# Altium PCB mchf_pro_ui.PcbDoc (part 5 of 5)
Units mil, origin at the board's own origin, x right, y up, seen from the top; angles counter-clockwise.
Board outline 7877.73 x 5661.04 mil, 2 copper layers (Top Layer, Bottom Layer); 336 components, 338 nets, 1291 pads, 827 vias.
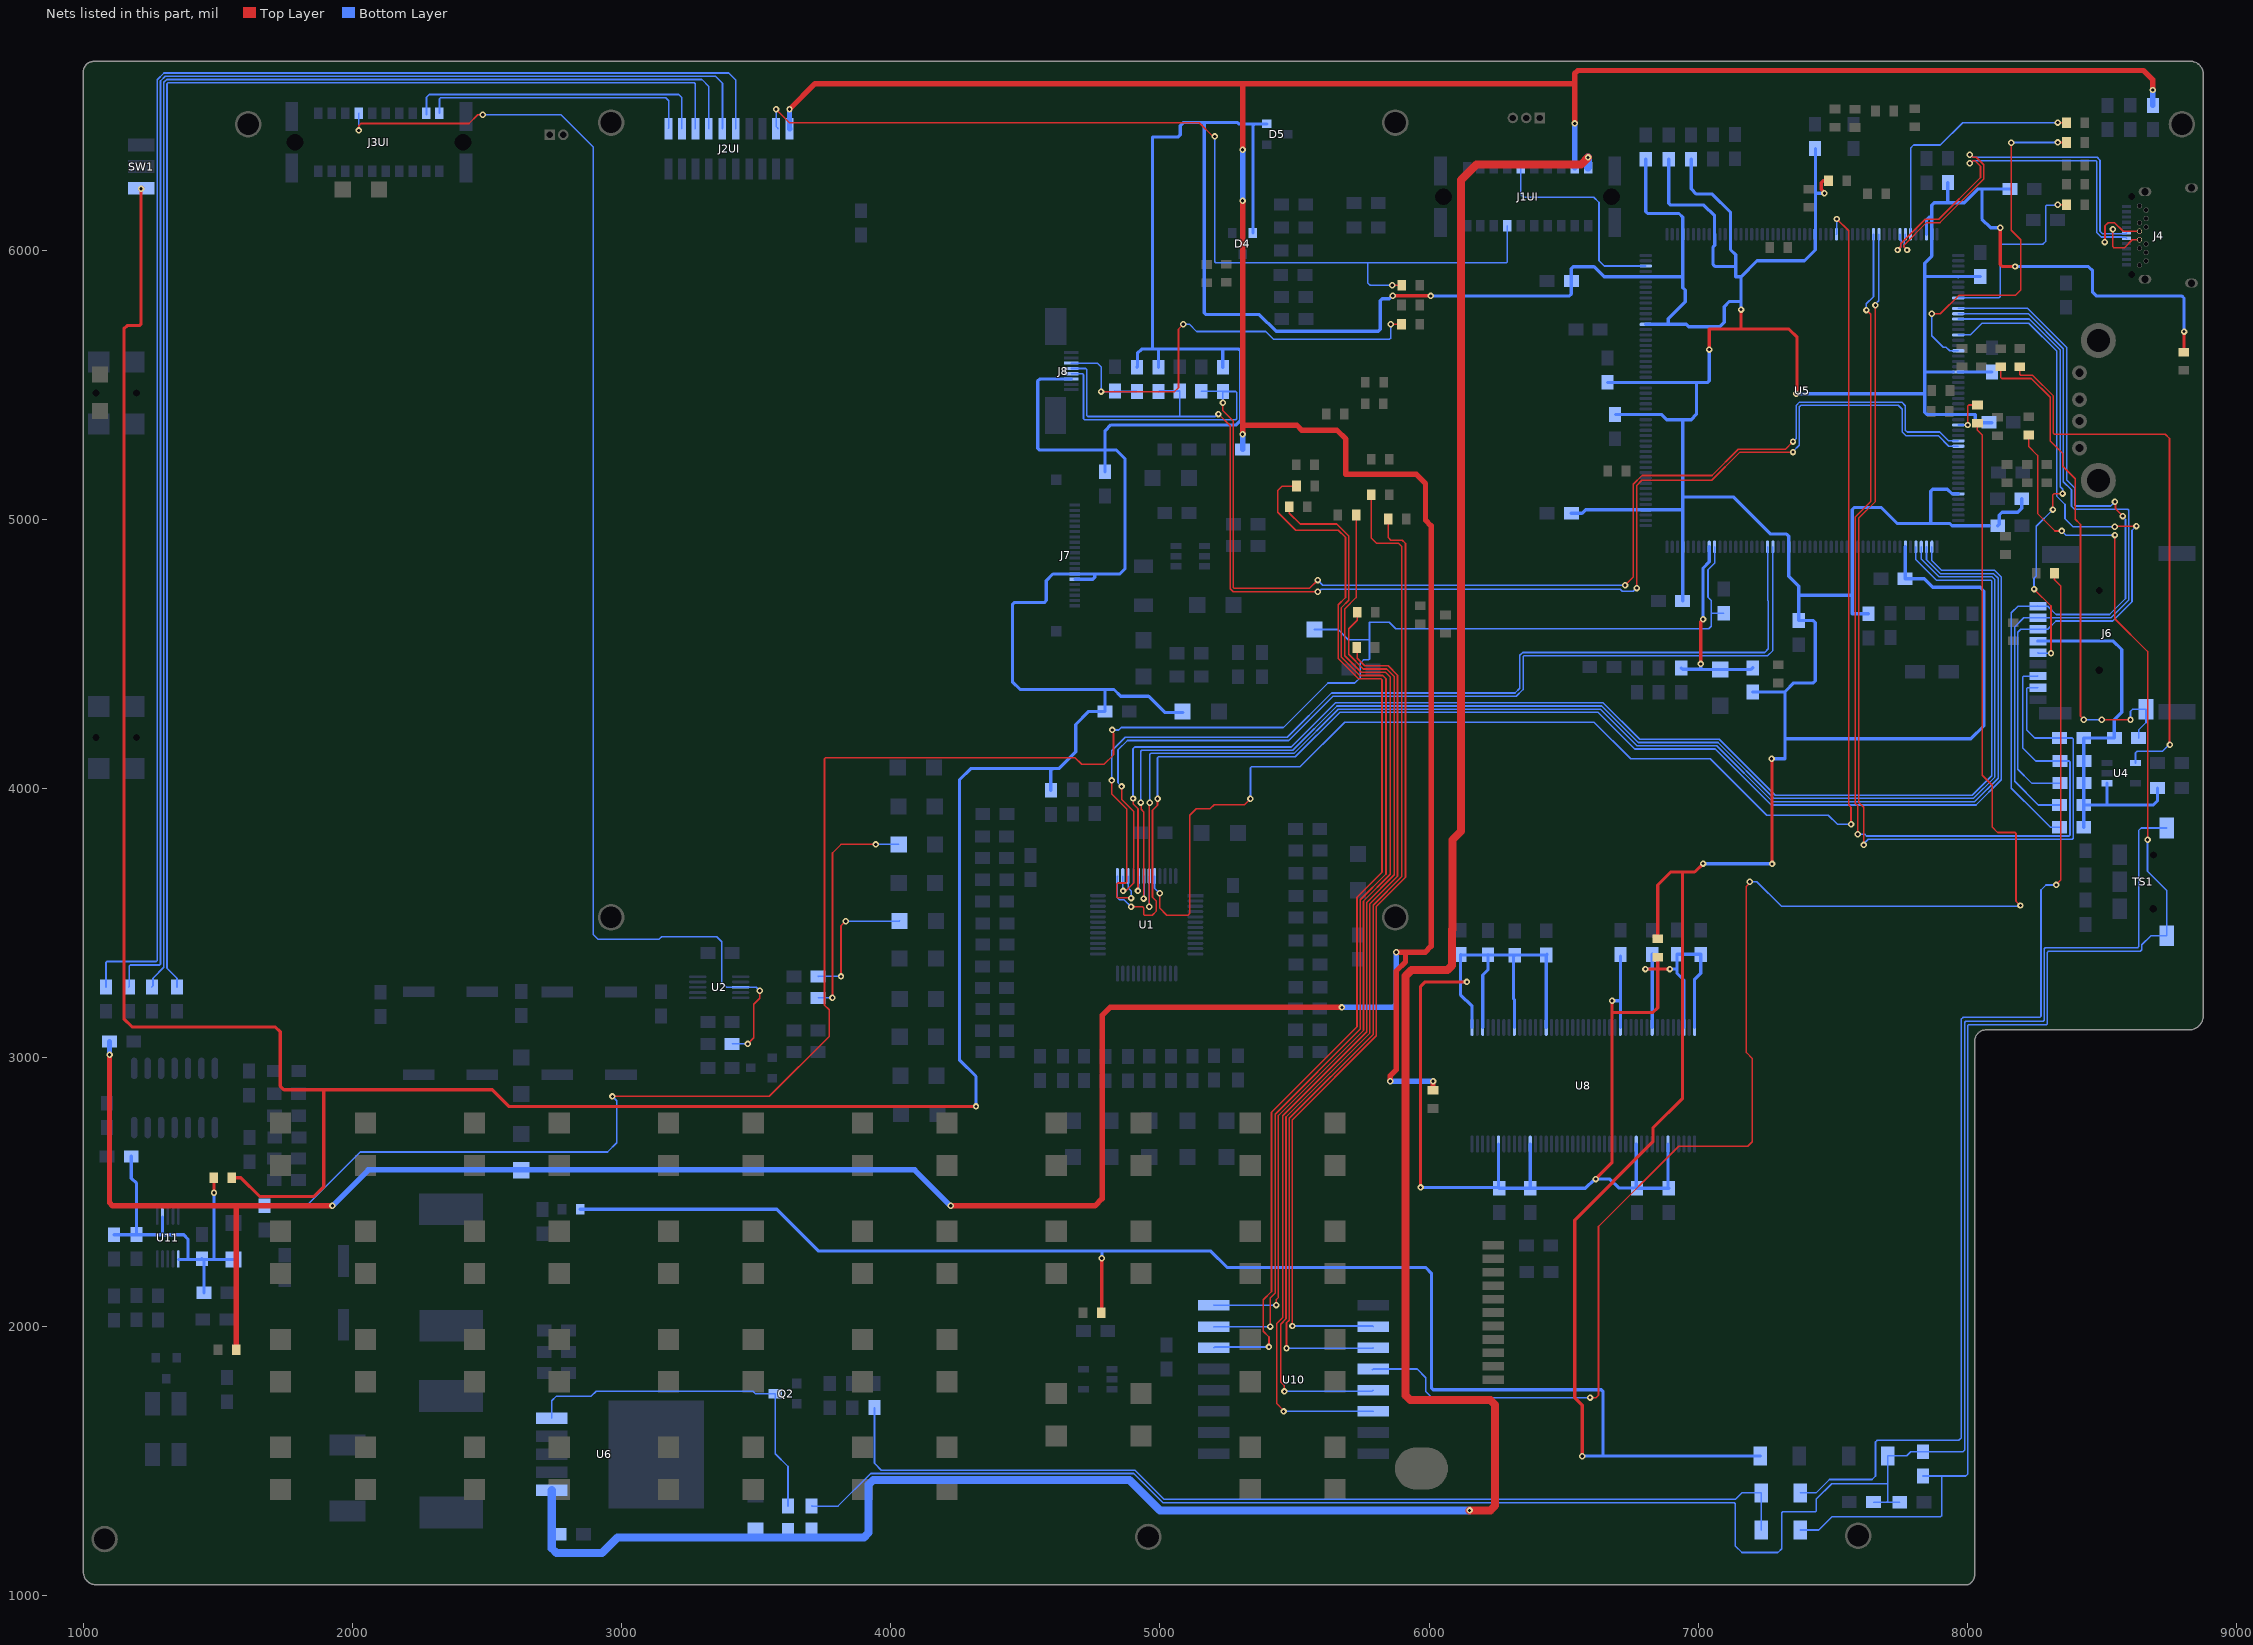
[diagram p5: the nets of this part, all layers, seen from the top]

## Via types
v1: diameter 24, hole 12, Top Layer to Bottom Layer, 621 vias
v2: diameter 30, hole 15, Top Layer to Bottom Layer, 206 vias

## Nets (pads, with @x,y where several pads share a name; then routed paths per layer and width w, separated by ;. In a path a pad name is that pad's centre, name@x,y a point inside that pad or via, vN(x,y) a via of type N, cw(c..) or ccw(c..) an arc to the next point about the centre after c; other vN are vias at no path point) (continued)
POWER_BUTTON: C29.2 D9.1 M15.1 TS1.a | length 5770.2
  Top Layer w6: M15.1@8227.84,5313.6 8227.84,5271.01 8261.07,5237.79 8261.07,5021.89 8325.7,4957.26 v1(8350.71,4957.26) ; v1(8548.22,4941.79) 8548.22,4630.91 8669.81,4509.33 v1(8669.81,3809.79)
  Bottom Layer w6: D9.1@7378.94,1245.08 7447.83,1245.08 7497.75,1294.99 7901.01,1294.99 7904.53,1298.51 7904.53,1444.88 7903.54,1445.87 ; C29.2@7834.65,1445.87 7903.54,1445.87 ; v1(8350.71,4957.26) 8350.77,4957.26 8366.25,4941.79 v1(8548.22,4941.79) ; v1(8669.81,3809.79) 8669.35,3809.33 8669.35,3692.86 8741.14,3621.06 TS1.a@8741.14,3453.54 8682.15,3453.54 8648.26,3419.65 8648.26,3401.38 8642.35,3395.47 8301.02,3395.47 8297.5,3391.96 8297.5,3126.46 8293.99,3122.95 8005.56,3122.95 8002.05,3119.43 8002.05,1453.17 7994.75,1445.87 7903.54,1445.87
POWER_HOLD: D10.1 M6.1 | length 4322.3
  Top Layer w6: M6.1@8324.05,4800.2 8324.05,4775.77 8346.91,4752.91 8346.91,3660.59 8330.7,3644.39 v1(8330.7,3641.88)
  Bottom Layer w6: D10.1@7378.94,1382.87 7437.99,1382.87 7487.79,1432.68 7645.92,1432.68 7658.97,1445.73 7658.97,1572.08 7665.15,1578.25 7967.94,1578.25 7978.05,1588.36 7978.05,3144.05 7984.3,3150.3 8269.99,3150.3 8273.5,3153.82 8273.5,3623.28 8292.11,3641.88 v1(8330.7,3641.88)
PTT: J1UI.A17 J2UI.A2 M25.1 | length 3641.8
  Top Layer w6: v1(3573.78,6524.07) 3623.45,6474.41 5145.67,6474.41 5196.85,6423.23 v1(5203.74,6423.23) ; v1(5862.85,5869.78) M25.1@5898.56,5869.78
  Bottom Layer w6: v1(3573.78,6524.07) 3573.78,6460.08 3580.71,6453.15 J2UI.A2@3579.53,6451.97 ; v1(5203.74,6423.23) 5203.74,5957.03 5207.26,5953.51 5772.52,5953.51 ; v1(5862.85,5869.78) 5781.64,5869.78 5772.52,5878.9 5772.52,5953.51 ; J1UI.A17@6291.04,6090.79 6291.04,5957.03 6287.52,5953.51 5772.52,5953.51
RFM_DIO0: M23.1 U10.14 | length 3980.9
  Top Layer w6: v1(5405.05,1925.23) 5405.05,1962.39 5383.61,1983.83 5383.61,1996.64 5383.39,1996.86 5383.39,2100.21 5414.56,2131.38 5414.56,2797.59 5732.2,3115.23 5732.2,3596.53 5825.1,3689.43 5825.1,4404.82 5821.58,4408.34 5737.4,4408.34 5662.37,4483.37 5662.37,4682.79 5689.37,4709.79 5689.37,4933.62 5662.6,4960.38 5504.74,4960.38 5437.99,5027.13 5437.99,5107.66 5454.34,5124.02 M23.1@5507.26,5124.02
  Bottom Layer w6: U10.14@5200.32,1922.24 5203.31,1925.23 v1(5405.05,1925.23)
RFM_DIO1: M22.1 U10.15 | length 3735.5
  Top Layer w6: v1(5409.86,2000.88) 5409.86,2107.39 5428.15,2125.68 5428.15,2790.35 5744.2,3106.4 5744.2,3586.89 5840.1,3682.79 5840.1,4408.34 5828.1,4420.34 5742.37,4420.34 5674.37,4488.34 5674.37,4672.55 5701.37,4699.55 5701.37,4938.59 5657.04,4982.92 5521.36,4982.92 5480.76,5023.52 5480.76,5046.24 M22.1@5479.76,5047.24
  Bottom Layer w6: U10.15@5200.32,2000.98 5200.43,2000.88 v1(5409.86,2000.88)
RFM_DIO2: M18.1 U10.16 | length 3484.3
  Top Layer w6: v1(5432.23,2080.76) 5432.65,2081.18 5432.65,2101.76 5440.15,2109.25 5440.15,2785.38 5756.2,3101.43 5756.2,3581.92 5855.88,3681.6 5855.88,4414.37 5837.91,4432.34 5747.98,4432.34 5686.37,4493.95 5686.37,4667.58 5728.87,4710.08 M18.1@5728.87,5016.73
  Bottom Layer w6: U10.16@5200.32,2079.72 5201.35,2080.76 v1(5432.23,2080.76)
RFM_MISO: M19.1 U10.2 | length 3525.8
  Top Layer w6: v1(5492.13,2003.15) 5492.28,2003.3 5492.28,2769.63 5804.2,3081.55 5804.2,3562.04 5912.53,3670.38 5912.53,4910.92 5900.53,4922.92 5857.85,4922.92 5847.85,4932.92 M19.1@5847.85,5001.97
  Bottom Layer w6: v1(5492.13,2003.15) 5790.16,2003.15 U10.2@5792.32,2000.98
RFM_MOSI: M20.1 U10.3 | length 3766.5
  Top Layer w6: v1(5470.19,1920.53) 5470.19,2014.72 5480.28,2024.8 5480.28,2774.6 5792.2,3086.52 5792.2,3567.01 5897.85,3672.67 5897.85,4900.92 5887.85,4910.92 5805.1,4910.92 5785.1,4930.92 M20.1@5785.1,5091.87
  Bottom Layer w6: v1(5470.19,1920.53) 5790.61,1920.53 U10.3@5792.32,1922.24
RFM_NSS: M21.1 U10.5 | length 3394.7
  Top Layer w6: v1(5462.49,1760.19) 5462.49,1780.78 5448.54,1794.72 5448.54,2010.04 5468.28,2029.78 5468.28,2779.57 5780.2,3091.49 5780.2,3571.98 5882.87,3674.66 5882.87,4421.32 5847.85,4456.34 5760.65,4456.34 5732.68,4484.31 5732.68,4522.78 M21.1@5731.68,4523.78
  Bottom Layer w6: v1(5462.49,1760.19) 5787.75,1760.19 U10.5@5792.32,1764.76
RFM_RST: M16.1 U10.6 | length 3627.8
  Top Layer w6: v1(5459.49,1685.96) 5459.49,1689.3 5434.62,1714.17 5434.62,2013.09 5456.28,2034.75 5456.28,2784.54 5768.2,3096.46 5768.2,3576.95 5870.87,3679.63 5870.87,4416.35 5842.88,4444.34 5755.68,4444.34 5701.37,4498.65 5701.37,4593.43 5732.98,4625.04 M16.1@5732.98,4655.51
  Bottom Layer w6: v1(5459.49,1685.96) U10.6@5792.32,1686.02 U10.6@5792.32,1686.02
RFM_SCK: M24.1 U10.4 | length 6168.6
  Top Layer w6: v1(6598.43,1737.2) 6621.28,1737.2 6629.72,1745.64 6629.72,2373.11 6927.55,2670.94 7184.58,2670.94 7200.89,2687.26 7200.89,2997.26 7179.1,3019.05 7179.1,3636.61 7191.84,3649.36 v1(7191.84,3653.57) ; M24.1@8037.52,5357.82 8037.52,5331.61 8055.1,5314.03 8055.1,4049.85 8092.17,4012.79 8092.17,3857.26 8112.42,3837.01 8177.44,3837.01 8180.96,3833.49 8180.96,3581.6 v1(8197.05,3565.51)
  Bottom Layer w6: U10.4@5789.37,1840.55 U10.4@5792.32,1843.5 5955.71,1843.5 5988.19,1811.02 5988.19,1759.47 6010.46,1737.2 v1(6598.43,1737.2) ; v1(7191.84,3653.57) 7218.06,3653.57 7308.28,3563.34 8194.89,3563.34 v1(8197.05,3565.51)
RX_CLK_N: J2UI.A5 M55.1 | length 5908.8
  Bottom Layer w6: M55.1@1083.77,3262.67 1083.77,3353.92 1087.29,3357.43 1271.01,3357.43 1274.53,3360.95 1274.53,6633.98 1299.22,6658.68 3397.58,6658.68 3423.51,6632.76 3423.51,6452.28 J2UI.A5@3423.82,6451.97
RX_CLK_P: J2UI.A6 M56.1 | length 5754.2
  Bottom Layer w6: M56.1@1169.12,3262.67 1170.82,3264.37 1170.82,3340.95 1174.33,3344.47 1283.01,3344.47 1286.53,3347.98 1286.53,6629.01 1304.19,6646.68 3348.87,6646.68 3374.8,6620.76 3374.8,6452.95 J2UI.A6@3373.82,6451.97
RX_QSD_IN: J2UI.A10 J3UI.A20 | length 1015
  Bottom Layer w6: J3UI.A20@2323.03,6509.84 2323.03,6563.24 2326.55,6566.75 3163.93,6566.75 3174.78,6555.91 3174.78,6452.93 J2UI.A10@3173.82,6452.93
SAI1_FS_A: U1.43 U5.3 | length 5166
  Top Layer w6: v1(4960.31,3561.18) 4960.31,3945.64 v1(4962.07,3947.4)
  Bottom Layer w6: v1(4960.31,3561.18) U1.43@4960.31,3674.92 ; v1(4962.07,3947.4) 4962.07,4127.07 4965.59,4130.58 5498.24,4130.58 5662.64,4294.98 6636.61,4294.98 6772.48,4159.12 7068.52,4159.12 7275.95,3951.69 8028.02,3951.69 8114.53,4038.2 8114.53,4700.67 8114.53,4781.07 8096.95,4798.64 7900.05,4798.64 7848.39,4850.3 U5.3@7848.39,4898.21
SAI1_FS_B: U1.39 U5.33 | length 3786.6
  Top Layer w6: v1(4820.87,4030.51) 4820.87,3979.9 4876.01,3924.76 4876.01,3652.62 4872.49,3649.11 4843.52,3649.11 4840.01,3645.59 4840.01,3598.41 4843.52,3594.89 4891.16,3594.89 v1(4892.96,3593.09)
  Bottom Layer w6: v1(4820.87,4030.51) 4820.87,4140.16 4871.29,4190.58 5473.38,4190.58 5637.78,4354.98 6319.4,4354.98 6337.24,4372.82 6337.24,4495.17 6347.79,4505.72 7247.09,4505.72 7260.47,4519.09 7260.47,4697.13 7257.84,4699.76 U5.33@7257.84,4898.21 ; U1.39@4881.57,3674.92 4882.97,3673.53 4882.97,3629.56 4892.96,3619.56 v1(4892.96,3593.09)
SAI1_MCLK_A: U1.44 U5.137 | length 5770.1
  Top Layer w6: v1(4998.97,3610.89) 4998.97,3556.07 5025.54,3529.49 5104.29,3529.49 5111.21,3536.41 5111.21,3900.51 5135.24,3924.53 5185.69,3924.53 5201.38,3940.22 5314.07,3940.22 v1(5336.32,3962.47) ; v1(7515.06,6116.35) 7559.06,6072.36 7559.06,3939.62 7567.91,3930.76 v1(7567.91,3867.13)
  Bottom Layer w6: U1.44@4980,3674.92 4980,3629.86 v1(4998.97,3610.89) ; v1(5336.32,3962.47) 5336.32,4077.29 5339.83,4080.81 5520.63,4080.81 5686.81,4246.98 6613.14,4246.98 6749,4111.12 7044.6,4111.12 7254.78,3900.94 7483.54,3900.94 7517.35,3867.13 v1(7567.91,3867.13) ; U5.137@7513.75,6059.62 7514.4,6060.28 7514.4,6115.69 v1(7515.06,6116.35)
SAI1_SCK_A: U1.42 U5.4 | length 5139.1
  Top Layer w6: v1(4928.51,3947.89) 4930.31,3946.08 4930.31,3922.73 4939.31,3913.73 v1(4939.31,3591.18)
  Bottom Layer w6: v1(4928.51,3947.89) 4928.51,4139.07 4932.03,4142.58 5493.26,4142.58 5657.67,4306.98 6641.58,4306.98 6777.45,4171.12 7073.5,4171.12 7280.92,3963.69 8023.05,3963.69 8102.53,4043.17 8102.53,4705.64 8102.53,4776.09 8091.98,4786.64 7895.08,4786.64 7828.71,4853.02 U5.4@7828.71,4898.21 ; v1(4939.31,3591.18) 4940.63,3592.49 U1.42@4940.63,3674.92
SAI1_SCK_B: U1.38 U5.32 | length 3669
  Top Layer w6: v1(4857.53,4007.87) 4857.53,3960.2 4902.59,3915.14 4902.59,3649.11 4876.56,3623.07 4866.65,3623.07 v1(4863.2,3619.63)
  Bottom Layer w6: v1(4857.53,4007.87) 4844.38,4021.03 4844.38,4143.83 4879.13,4178.58 5478.35,4178.58 5642.76,4342.98 6324.38,4342.98 6349.24,4367.85 6349.24,4490.2 6352.76,4493.72 7257.84,4493.72 7277.53,4513.4 U5.32@7277.53,4898.21 ; U1.38@4861.89,3674.92 4861.89,3620.94 v1(4863.2,3619.63)
SAI1_SD_A: U1.41 U5.5 | length 5111.3
  Top Layer w6: v1(4900.06,3963.15) 4901.42,3961.79 4901.42,3942.15 4918.31,3925.26 v1(4918.31,3619.63)
  Bottom Layer w6: v1(4900.06,3963.15) 4900.06,4148.33 4906.31,4154.58 5488.29,4154.58 5652.7,4318.98 6646.55,4318.98 6782.42,4183.12 7078.47,4183.12 7285.89,3975.69 8018.08,3975.69 8090.53,4048.14 8090.53,4710.61 8090.53,4771.12 8087.01,4774.64 7884.47,4774.64 7809.02,4850.09 U5.5@7809.02,4898.21 ; v1(4918.31,3619.63) 4920.94,3622.26 U1.41@4920.94,3674.92
SAI1_SD_B: U1.37 U5.2 | length 5332.4
  Top Layer w6: v1(4892.96,3560.89) 4935.8,3560.89 4939.31,3557.38 4939.31,3532.6 4942.83,3529.08 4971.16,3529.08 4986.97,3544.89 4986.97,3581.89 4972.31,3596.54 4972.31,3919.16 4991.09,3937.94 v1(4991.09,3962.64)
  Bottom Layer w6: U1.37@4842.2,3674.92 4840.97,3673.69 4840.97,3595.63 4849.55,3587.05 4866.8,3587.05 v1(4892.96,3560.89) ; v1(4991.09,3962.64) 4991.09,4115.07 4994.61,4118.58 5503.21,4118.58 5667.61,4282.98 6628.67,4282.98 6764.54,4147.12 7063.07,4147.12 7271.22,3938.98 8032.27,3938.98 8126.53,4033.23 8126.53,4695.7 8126.53,4786.04 8101.92,4810.64 7905.02,4810.64 7868.08,4847.59 U5.2@7868.08,4898.21
SD_DET: J6.10 M40.1 R27.2 | length 1883.9
  Top Layer w6: M40.1@8123.86,5564.99 8123.86,5527.22 8127.38,5523.71 8237.53,5523.71 8307.57,5453.67 8307.57,5291.73 8354.03,5245.26 8354.03,5197.81 8400.49,5151.35 8400.49,5001.03 8420.3,4981.23 8420.3,4268.31 v1(8432.7,4255.91) ; v1(8499.02,4255.91) v1(8606.3,4255.91)
  Bottom Layer w6: v1(8432.7,4255.91) v1(8499.02,4255.91) ; v1(8606.3,4255.91) 8606.3,4286.97 8613.51,4294.18 8663.27,4294.18 J6.10@8663.39,4294.29 ; R27.2@8636.26,4187.99 8636.26,4217.78 8663.82,4245.34 J6.10@8663.82,4294.18
SD_POWER: C28.1 J6.4 R24.1 R25.1 R26.1 R27.1 R28.1 R29.1 U4.1 | length 1519.4
  Bottom Layer w12: J6.4@8261.81,4548.23 8262.1,4547.94 8542.61,4547.94 8573.82,4516.73 8573.82,4463.38 8573.82,4283.46 8546.26,4255.91 R27.1@8546.26,4187.99 R25.1@8432.7,4187.99 R29.1@8432.7,3938.9 ; R24.1@8432.7,3856.3 R29.1@8432.7,3938.9 ; U4.1@8518.73,4020.16 8518.73,3938.9 ; C28.1@8706.5,4001.75 8706.5,3954.26 8691.14,3938.9 8518.73,3938.9 ; R29.1@8432.7,3938.9 8518.73,3938.9
SD_PWR_CNTR: M9.1 U4.4 | length 2079.1
  Top Layer w6: M9.1@8195.06,5565.6 8195.06,5539.77 8198.68,5536.14 8242.07,5536.14 8319.88,5458.33 8319.88,5320.16 8323.4,5316.64 8735.11,5316.64 8750.98,5300.77 v1@8750.98,4161.42
  Bottom Layer w6: U4.4@8625.03,4094.97 8625.03,4132.9 8630.91,4138.78 8725.39,4138.78 8749.67,4163.06 v1(8752.62,4163.06)
SDMMC1_CK: J6.5 U5.169 | length 1695.2
  Top Layer w6: v1(8247.84,4741.14) 8310.78,4678.2 v1(8310.78,4502.42) ; v1(8318.03,5036.71) 8318.03,5090.84 8323.24,5096.05 v1(8353.92,5096.05)
  Bottom Layer w6: U5.169@7966.5,5744.66 8229.94,5744.66 8344.81,5629.79 8344.81,5121.75 8354.14,5112.43 8354.14,5096.27 v1(8353.92,5096.05) ; v1(8247.84,4741.14) 8247.84,4781.45 8256.02,4789.63 8256.02,4974.7 v1(8318.03,5036.71) ; J6.5@8261.81,4504.92 8264.31,4502.42 v1(8310.78,4502.42)
SDMMC1_CMD: J6.3 R28.2 U5.172 | length 2787.4
  Top Layer w6: v1(8547.66,4972.68) 8550.34,4975.36 v1(8628.38,4975.36)
  Bottom Layer w6: U5.172@7966.5,5685.61 8010.62,5685.61 8054.23,5729.21 8228.42,5729.21 8332.81,5624.82 8332.81,5085.62 8362.9,5055.54 8362.9,5002.51 8389.81,4975.6 8392.73,4972.68 v1(8547.66,4972.68) ; R28.2@8344.03,4020.44 8238.73,4020.44 8187.69,4071.48 8187.69,4580.74 8198.64,4591.69 8261.65,4591.69 J6.3@8261.81,4591.54 8262.27,4592 8298.85,4592 8329.55,4622.7 8540.34,4622.7 8611.95,4694.31 8611.95,4958.93 v1(8628.38,4975.36)
SDMMC1_D0: J6.7 R26.2 U5.144 | length 3858.8
  Top Layer w6: v1(7592.45,3829.93) 7592.45,3936.13 7583.89,3944.69 7583.89,5009.47 7640.96,5066.53 7640.96,5762 v1(7624.86,5778.1)
  Bottom Layer w6: v1(7592.45,3829.93) 7592.91,3830.38 7618.37,3830.38 7625.1,3823.66 8377.9,3823.66 8381.42,3827.18 8381.42,4098.85 8377.9,4102.36 R26.2@8344,4102.36 8253.94,4102.36 8205.38,4150.92 8205.38,4414.41 8208.89,4417.92 8261.43,4417.92 J6.7@8261.81,4418.31 ; v1(7624.86,5778.1) 7624.86,5801.12 7651.54,5827.79 U5.144@7651.54,6059.62
SDMMC1_D1: J6.8 R25.2 U5.145 | length 3851.9
  Top Layer w6: v1(7614.88,3790.66) 7614.88,3930.67 7595.89,3949.66 7595.89,5004.49 7658.38,5066.98 v1(7658.38,5796.13)
  Bottom Layer w6: v1(7614.88,3790.66) 7614.88,3794.71 7631.83,3811.66 8389.9,3811.66 8393.42,3815.18 8393.42,4184.37 8389.79,4187.99 R25.2@8342.7,4187.99 8250,4187.99 8220.47,4217.52 8220.47,4371.64 8223.99,4375.16 8261.65,4375.16 J6.8@8261.81,4375 ; v1(7658.38,5796.13) 7658.38,5800.13 7671.23,5812.98 U5.145@7671.23,6059.62
SDMMC1_D2: J6.1 R24.2 U5.167 | length 2956.3
  Top Layer w6: v1(8548.22,5065.66) 8550.54,5063.34 8550.54,5039.79 v1(8577.65,5012.68)
  Bottom Layer w6: U5.167@7966.5,5784.03 8224.51,5784.03 8368.81,5639.73 8368.81,5146.97 8399.29,5116.5 8399.29,5053.5 8402.8,5049.99 8532.55,5049.99 v1(8548.22,5065.66) ; J6.1@8261.81,4678.15 8262.66,4677.3 8299.17,4677.3 8329.66,4646.81 8528.11,4646.81 8587.61,4706.31 8587.61,5000.17 8577.65,5010.14 v1(8577.65,5012.68) ; J6.1@8262.11,4678.45 8260.96,4677.3 8188.12,4677.3 8163.69,4652.86 8163.69,4001.75 8263.86,3901.58 ; 8263.86,3901.57 8309.13,3856.3 R24.2@8342.7,3856.3
SDMMC1_D3: J6.2 R29.2 U5.168 | length 2837.3
  Bottom Layer w6: U5.168@7966.5,5764.35 8227.23,5764.35 8356.81,5634.76 8356.81,5140.32 8386.96,5110.18 8386.96,5048.86 8398.45,5037.37 8596.43,5037.37 8599.95,5033.86 8599.95,4700.63 8534.13,4634.81 J6.2@8261.81,4634.84 ; J6.2@8261.81,4634.84 8261.5,4634.53 8210.1,4634.53 8175.69,4600.12 8175.69,4027.07 8263.86,3938.9 R29.2@8342.7,3938.9
SPA_L: C2.2 R11.2 | length 498.3
  Top Layer w6: v1(3814.96,3302.17) 3814.96,3489.84 v1(3832.3,3507.18)
  Bottom Layer w6: R11.2@3729.76,3301.18 3730.75,3302.17 v1(3814.96,3302.17) ; v1(3832.3,3507.18) 4030.94,3507.18 C2.2@4032.29,3508.53
SPA_R: C3.2 R12.2 | length 851.1
  Top Layer w6: v1(3783.26,3222.44) 3783.26,3760.83 3814.96,3792.53 v1(3944.19,3792.53)
  Bottom Layer w6: R12.2@3729.76,3222.44 v1(3783.26,3222.44) ; v1(3944.19,3792.53) C3.2@4029.34,3792.53
SPK_RET: J3UI.A14 R10.2 U2.3 | length 5020.8
  Top Layer w6: v1(2023.3,6445.41) 2023.35,6445.46 2023.35,6462.89 2031.49,6471.03 2432.65,6471.03 2465.55,6503.94 v1(2484.25,6503.94) ; v1(3468.5,3051.18) 3491.06,3073.74 3491.06,3198.94 3512.8,3220.67 v1(3512.8,3249.02)
  Bottom Layer w6: J3UI.A14@2023.03,6509.84 2023.3,6509.57 v1(2023.3,6445.41) ; v1(2484.25,6503.94) 2774.95,6503.94 2894.72,6384.17 2894.72,5888.78 2894.72,3457.69 2911.6,3440.8 3140.13,3440.8 3148.61,3449.28 3353.35,3449.28 3372.24,3430.38 3372.24,3279.33 3389.76,3261.81 U2.3@3441.93,3261.81 3499.74,3261.81 3512.54,3249.02 v1(3512.8,3249.02) ; R10.2@3410.43,3051.18 v1(3468.5,3051.18)
SWCLK: M3.2 U5.165 | length 734.3
  Top Layer w6: v1(8335.63,6169.58) M3.2@8368.61,6169.58
  Bottom Layer w6: U5.165@7966.5,5823.4 8117.64,5823.4 8122.03,5827.79 8122.03,6018.52 8125.55,6022.03 8279.95,6022.03 8290.74,6032.82 8290.74,6164.43 8294.26,6167.94 8333.99,6167.94 v1(8335.63,6169.58)
SWDIO: M3b.2 U5.151 | length 939
  Top Layer w6: v1(8335.63,6474.41) M3b.2@8368.61,6474.41
  Bottom Layer w6: U5.151@7789.34,6059.62 7789.34,6380.37 7800.2,6391.23 7899.65,6391.23 7982.82,6474.41 v1(8335.63,6474.41)
SWO: M24.2 U5.189 | length 143.3
  Top Layer w6: v1(8001.29,5350.96) 8001.29,5421.81 8004.81,5425.32 M24.2@8037.52,5425.32
  Bottom Layer w6: U5.189@7966.5,5350.96 v1(8001.29,5350.96)
TOUCH_INT: C50.1 J8.6 M11.1 R49.2 | length 1765.8
  Top Layer w6: v1(4781.32,5475.18) 5054.24,5475.18 5068.9,5489.84 5068.9,5707.26 v1(5086.61,5724.98) ; v1(5857.85,5724.98) M11.1@5897.53,5724.98
  Bottom Layer w6: J8.6@4670.39,5580.71 4670.46,5580.65 4768.03,5580.65 4781.32,5567.36 v1(4781.32,5475.18) 4830.5,5475.18 C50.1@4832.68,5477.36 4834.65,5475.39 R49.2@4914.37,5475.39 ; v1(5086.61,5724.98) 5109.59,5724.98 5136.22,5698.35 5393.01,5698.35 5421.13,5670.24 5854.34,5670.24 5857.85,5673.75 v1(5857.85,5724.98)
TOUCH_SCK: C49.2 J8.4 R47.2 U5.192 | length 5141.6
  Top Layer w6: v1(5233.91,5433.39) 5233.91,5404.86 5272.86,5365.91 5272.86,4747.48 5276.38,4743.96 5555.97,4743.96 v1(5586.61,4774.61) ; v1(6728.35,4755.91) 6758.37,4785.93 6758.37,5130.31 6791.45,5163.39 7051.08,5163.39 7148.71,5261.01 7323.99,5261.01 v1(7352.25,5289.28)
  Bottom Layer w6: J8.4@4670.39,5541.34 4712.67,5541.34 4716.18,5537.82 4716.18,5374.19 4719.7,5370.68 5281.58,5370.68 5285.1,5374.19 5285.1,5471.88 5281.58,5475.39 R47.2@5233.7,5475.39 ; C49.2@5153.56,5476.07 5233.02,5476.07 R47.2@5233.7,5475.39 ; v1(5233.91,5433.39) 5233.91,5475.18 R47.2@5233.7,5475.39 ; v1(5586.61,4774.61) 5605.32,4755.91 v1(6728.35,4755.91) ; v1(7352.25,5289.28) 7363.95,5300.97 7363.95,5423.28 7376.7,5436.02 7756.27,5436.02 7769.65,5422.65 7769.65,5331.28 7776.12,5324.81 7897.53,5324.81 7927.08,5295.26 7930.43,5291.91 U5.192@7966.5,5291.91
TOUCH_SDA: C48.2 J8.5 R48.2 U5.193 | length 4990.4
  Top Layer w6: v1(5217.52,5391.68) 5217.52,5391.55 5260.86,5348.21 5260.86,4742.51 5272.07,4731.3 v1(5586.61,4731.3) ; v1(6771.49,4745.1) 6771.49,5126.46 6790.67,5145.64 7050.3,5145.64 7153.68,5249.01 7351.09,5249.01 v1(7352.25,5250.18)
  Bottom Layer w6: J8.5@4670.39,5561.02 4724.67,5561.02 4728.18,5557.51 4728.18,5386.19 4731.7,5382.68 5073.82,5382.68 ; R48.2@4994.95,5475.39 4996.92,5477.36 C48.2@5073.82,5477.36 5073.82,5382.68 ; v1(5217.52,5391.68) 5214,5391.68 5205,5382.68 5073.82,5382.68 ; v1(5586.61,4731.3) 5589.94,4731.3 5599.13,4740.49 6710.8,4740.49 6717.93,4733.36 6758.98,4733.36 6770.72,4745.1 v1(6771.49,4745.1) ; v1(7352.25,5250.18) 7352.25,5252.19 7375.95,5275.89 7375.95,5418.31 7381.67,5424.02 7743.49,5424.02 7757.65,5409.87 7757.65,5324.81 7770.87,5311.59 7891.49,5311.59 7930.86,5272.22 U5.193@7966.5,5272.22
TX_CLK_N: J2UI.A8 M58.1 | length 5505.1
  Bottom Layer w6: M58.1@1347.8,3262.67 1347.64,3262.83 1347.64,3295.65 1310.62,3332.68 1310.62,6619.16 1314.14,6622.68 3270.07,6622.68 3273.58,6619.16 3273.58,6452.21 J2UI.A8@3273.82,6451.97
TX_CLK_P: J2UI.A7 M57.1 | length 5577.1
  Bottom Layer w6: M57.1@1254.46,3262.67 1258.52,3266.73 1258.52,3295.65 1298.53,3335.66 1298.53,6624.04 1309.17,6634.68 3298.09,6634.68 3324.02,6608.76 3324.02,6452.17 J2UI.A7@3323.82,6451.97
TX_MIX: J2UI.A9 J3UI.A19 | length 1137
  Bottom Layer w6: J3UI.A19@2274.8,6504.7 2274.8,6568.67 2284.89,6578.75 3211.9,6578.75 3223.14,6567.51 3223.14,6452.64 J2UI.A9@3223.82,6451.97
UI_3V_LO: C54.1 C55.1 M52.2 M54.2 R53.2 R54.2 RFC7.2 U11.1 U11.7 | length 1349.5
  Top Layer w12: v1(1485.21,2498.6) M52.2@1485.21,2554.01
  Bottom Layer w12: R54.2@1113.86,2342.17 1372.61,2342.17 1388.72,2326.06 1388.72,2252.66 1386.37,2250.31 ; M54.2@1177.72,2633.56 1177.86,2633.42 1177.86,2552.55 1197.55,2532.86 R53.2@1197.55,2343.23 ; 1293.72,2344.5 U11.7@1293.72,2407.7 ; U11.1@1353.86,2250.31 1386.37,2250.31 ; RFC7.2@1447.78,2126.54 C54.1@1447.78,2245.33 ; v1(1485.21,2498.6) 1485.21,2250.31 ; C55.1@1557.09,2250.31 1485.21,2250.31 ; 1386.37,2250.31 1440.09,2250.31 C54.1@1440.09,2253.03 1442.8,2250.31 1485.21,2250.31
UI_3V_MCU: C46.2 C47.1 C51.2 Cp7.1 Cp17.1 Cp29.1 Cp49.1 Cp56.1 Cp74.1 Cp80.1 Cp100.1 Cp108.1 Cp114.1 Cp117.1 Cp133.1 Cp155.1 Cp161.1 Cp179.1 Cp187.1 Cp208.1 D4.2 D5.2 D6.1 J7.6 J7.7 J8.3 M0.2 M4.1 M48.1 M49.2 M50.1 M51.1 M52.1 R32.1 R33.1 R47.1 R48.1 R49.1 RFC3.1 SW1.3 U5.7 U5.17 U5.29 U5.49 U5.56 U5.74 U5.80 U5.91 U5.100 U5.108 U5.114 U5.117 U5.133 U5.154 U5.155 U5.161 U5.179 U5.187 U5.202 U5.208 | length 41561.9